# KiCad board Bottom PCB.kicad_pcb
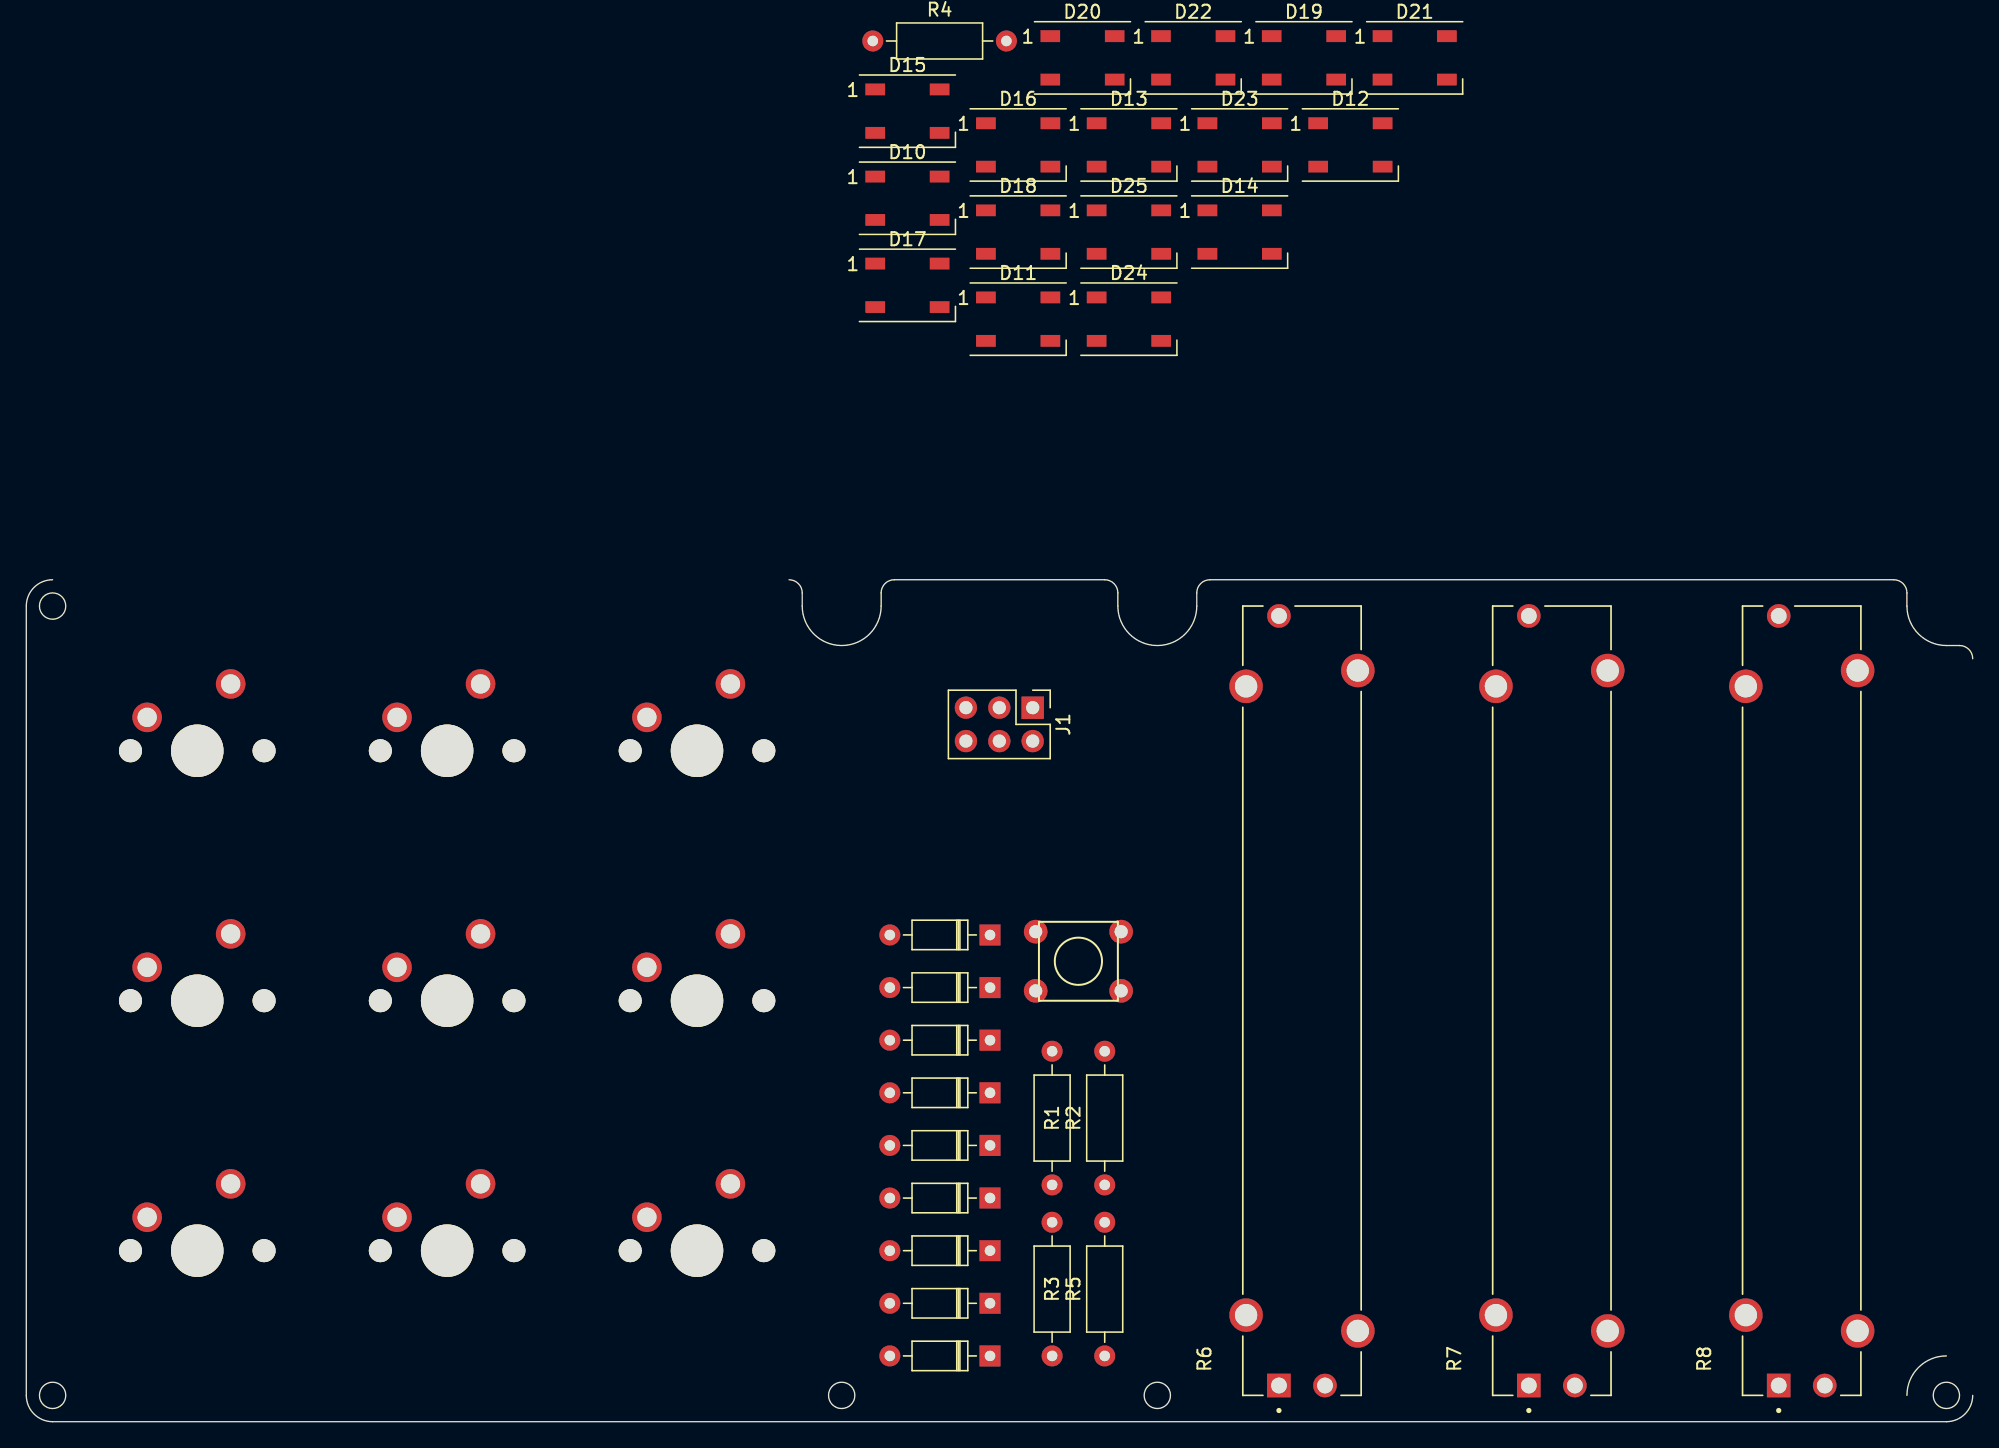
[diagram p0: board, top side]
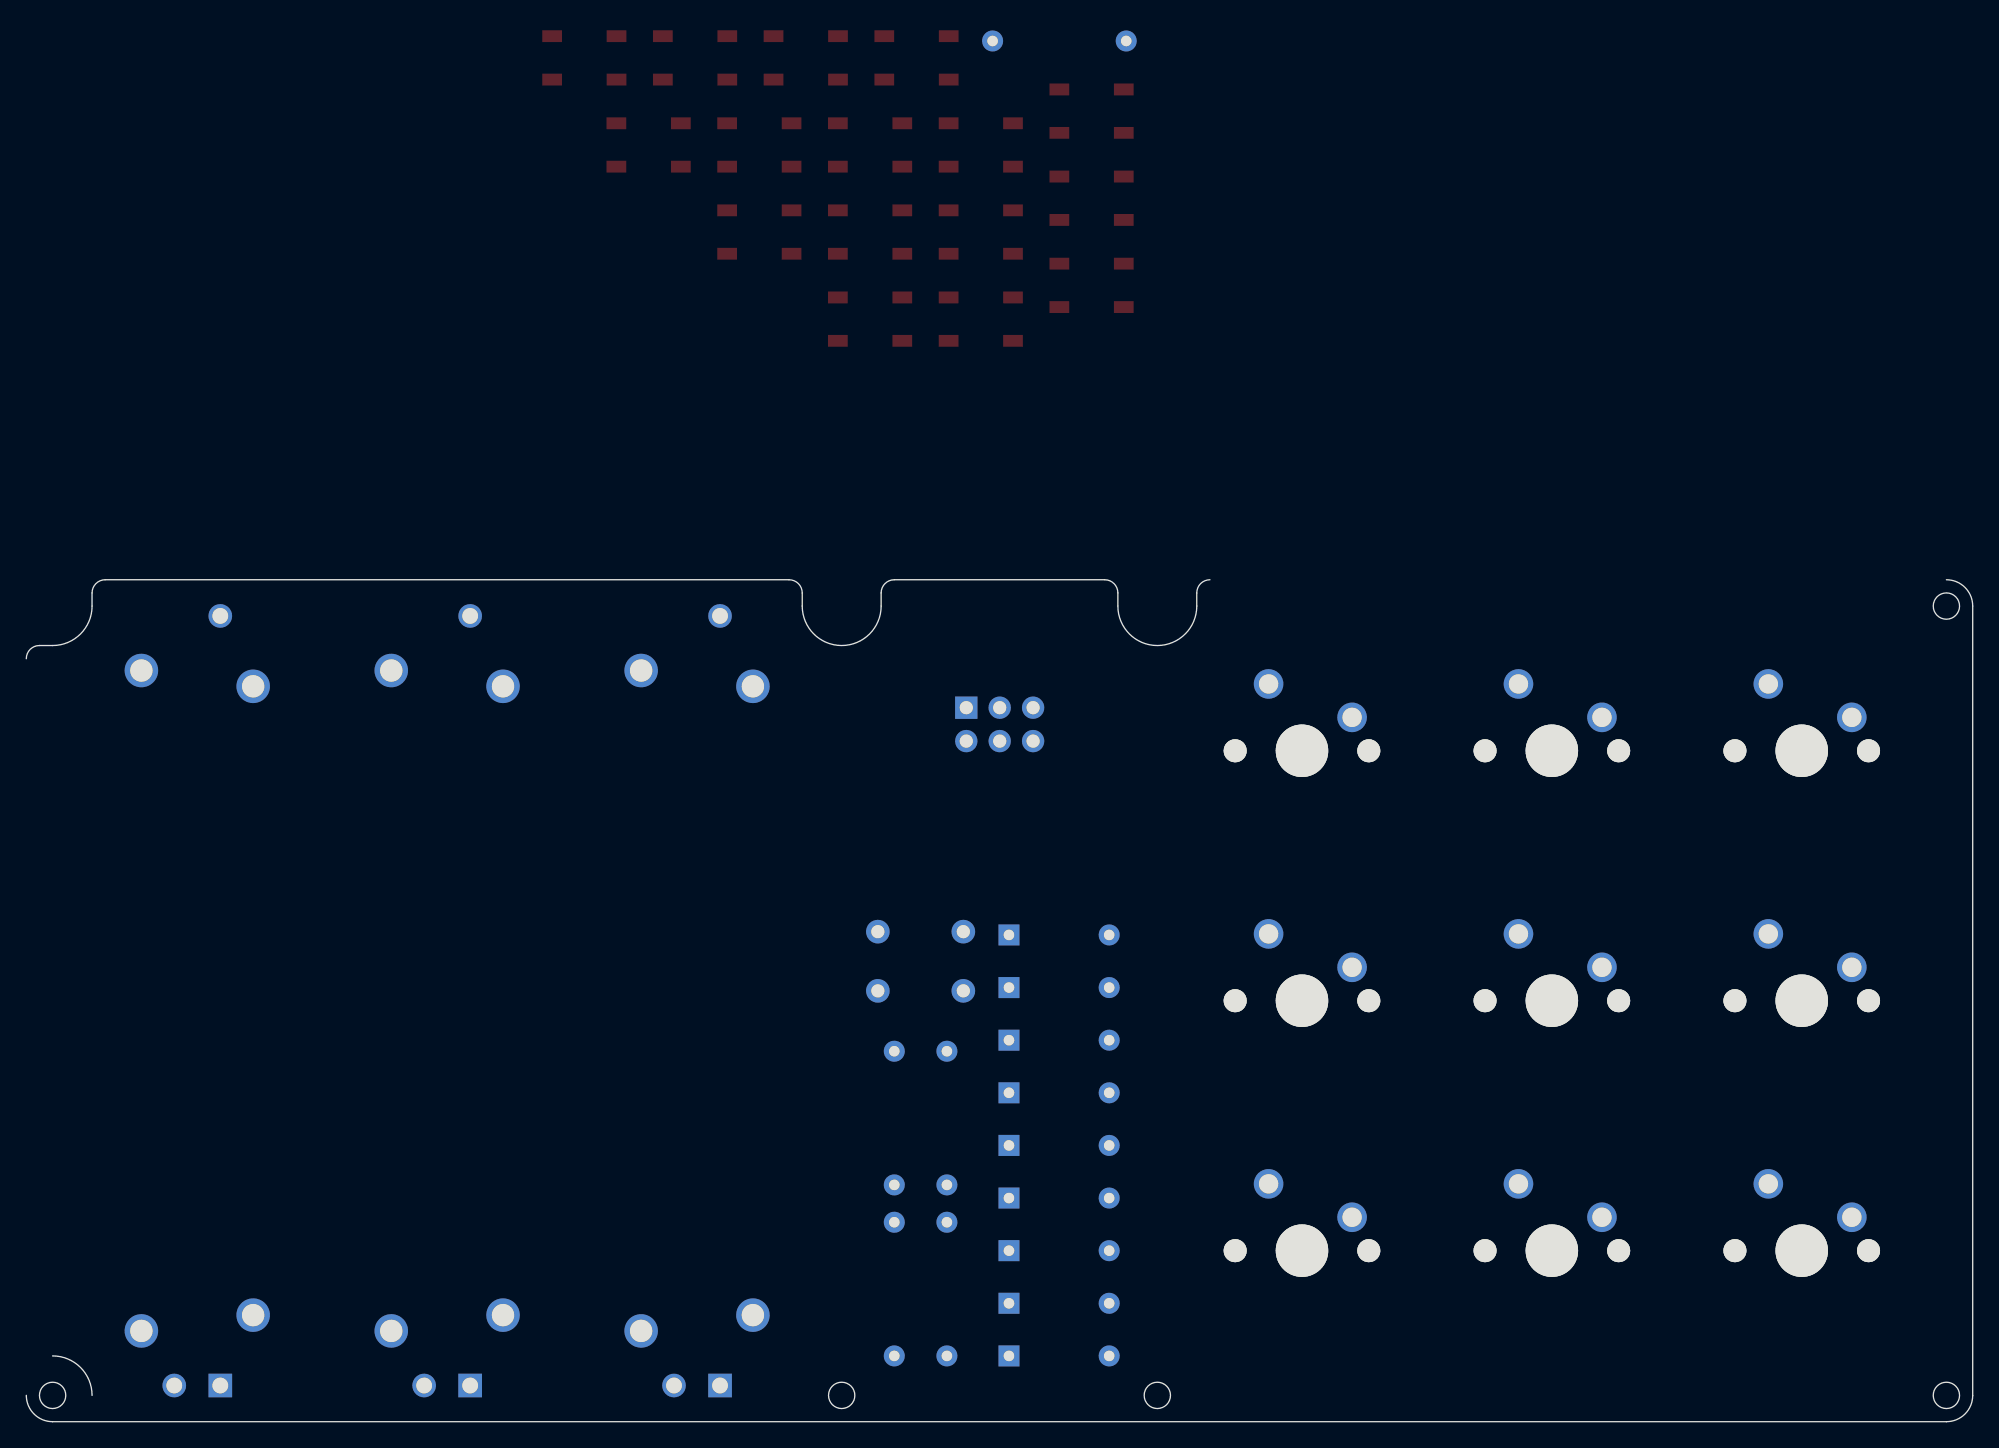
[diagram p1: board, bottom side, seen from below]

Outline 148 x 64 mm; copper layers: Top, Bottom. Coordinates in mm from the lower left corner of the outline.
Outline path: circle c2,62 r1 ; circle c2,2 r1 ; circle c62,2 r1 ; circle c86,2 r1 ; circle c146,2 r1 ; 2,64 arc(0.59,63.41) 0,62 0,2 arc(0.59,0.59) 2,0 146,0 arc(147.41,0.59) 148,2 ; 58,64 arc(58.71,63.71) 59,63 59,62 arc(62,59) 65,62 65,63 arc(65.29,63.71) 66,64 82,64 arc(82.71,63.71) 83,63 83,62 arc(86,59) 89,62 89,63 arc(89.29,63.71) 90,64 142,64 arc(142.71,63.71) 143,63 143,62 arc(143.88,59.88) 146,59 147,59 arc(147.71,58.71) 148,58 ; 143,2 arc(143.88,4.12) 146,5
Stack: Top 0.035mm / dielectric 1.51mm FR4 er 4.5 / Bottom 0.035mm

## Placement (name value [footprint] x y rotation side)
D1  1N4148  [D_DO-35_SOD27_P7.62mm_Horizontal]  73.28 5 180 top
D2  1N4148  [D_DO-35_SOD27_P7.62mm_Horizontal]  73.28 17 180 top
D3  1N4148  [D_DO-35_SOD27_P7.62mm_Horizontal]  73.28 29 180 top
D4  1N4148  [D_DO-35_SOD27_P7.62mm_Horizontal]  73.28 9 180 top
D5  1N4148  [D_DO-35_SOD27_P7.62mm_Horizontal]  73.28 21 180 top
D6  1N4148  [D_DO-35_SOD27_P7.62mm_Horizontal]  73.28 33 180 top
D7  1N4148  [D_DO-35_SOD27_P7.62mm_Horizontal]  73.28 13 180 top
D8  1N4148  [D_DO-35_SOD27_P7.62mm_Horizontal]  73.28 25 180 top
D9  1N4148  [D_DO-35_SOD27_P7.62mm_Horizontal]  73.28 37 180 top
D10  WS2812B  [LED_WS2812B_PLCC4_5.0x5.0mm_P3.2mm]  67 93 0 top
D11  WS2812B  [LED_WS2812B_PLCC4_5.0x5.0mm_P3.2mm]  75.42 83.81 0 top
D12  WS2812B  [LED_WS2812B_PLCC4_5.0x5.0mm_P3.2mm]  100.68 97.05 0 top
D13  WS2812B  [LED_WS2812B_PLCC4_5.0x5.0mm_P3.2mm]  83.84 97.05 0 top
D14  WS2812B  [LED_WS2812B_PLCC4_5.0x5.0mm_P3.2mm]  92.26 90.43 0 top
D15  WS2812B  [LED_WS2812B_PLCC4_5.0x5.0mm_P3.2mm]  67 99.62 0 top
D16  WS2812B  [LED_WS2812B_PLCC4_5.0x5.0mm_P3.2mm]  75.42 97.05 0 top
D17  WS2812B  [LED_WS2812B_PLCC4_5.0x5.0mm_P3.2mm]  67 86.38 0 top
D18  WS2812B  [LED_WS2812B_PLCC4_5.0x5.0mm_P3.2mm]  75.42 90.43 0 top
D19  WS2812B  [LED_WS2812B_PLCC4_5.0x5.0mm_P3.2mm]  97.15 103.67 0 top
D20  WS2812B  [LED_WS2812B_PLCC4_5.0x5.0mm_P3.2mm]  80.31 103.67 0 top
D21  WS2812B  [LED_WS2812B_PLCC4_5.0x5.0mm_P3.2mm]  105.57 103.67 0 top
D22  WS2812B  [LED_WS2812B_PLCC4_5.0x5.0mm_P3.2mm]  88.73 103.67 0 top
D23  WS2812B  [LED_WS2812B_PLCC4_5.0x5.0mm_P3.2mm]  92.26 97.05 0 top
D24  WS2812B  [LED_WS2812B_PLCC4_5.0x5.0mm_P3.2mm]  83.84 83.81 0 top
D25  WS2812B  [LED_WS2812B_PLCC4_5.0x5.0mm_P3.2mm]  83.84 90.43 0 top
J1  Conn_02x03_Top_Bottom  [PinHeader_2x03_P2.54mm_Vertical]  76.53 54.28 270 top
MX1  MX-NoLED  [MXOnly-1U-NoLED]  13 51 0 top
MX2  MX-NoLED  [MXOnly-1U-NoLED]  32 51 0 top
MX3  MX-NoLED  [MXOnly-1U-NoLED]  51 51 0 top
MX4  MX-NoLED  [MXOnly-1U-NoLED]  13 32 0 top
MX5  MX-NoLED  [MXOnly-1U-NoLED]  32 32 0 top
MX6  MX-NoLED  [MXOnly-1U-NoLED]  51 32 0 top
MX7  MX-NoLED  [MXOnly-1U-NoLED]  13 13 0 top
MX8  MX-NoLED  [MXOnly-1U-NoLED]  32 13 0 top
MX9  MX-NoLED  [MXOnly-1U-NoLED]  51 13 0 top
R1  10k  [R_Axial_DIN0207_L6.3mm_D2.5mm_P10.16mm_Horizontal]  78 18 90 top
R2  10k  [R_Axial_DIN0207_L6.3mm_D2.5mm_P10.16mm_Horizontal]  82 18 90 top
R3  10k  [R_Axial_DIN0207_L6.3mm_D2.5mm_P10.16mm_Horizontal]  78 5 90 top
R4  10k  [R_Axial_DIN0207_L6.3mm_D2.5mm_P10.16mm_Horizontal]  64.37 104.96 0 top
R5  10k  [R_Axial_DIN0207_L6.3mm_D2.5mm_P10.16mm_Horizontal]  82 5 90 top
R6  PTA4543-2015DPB103  [TRIM_PTA4543-2015DPB103]  97 32 90 top
R7  PTA4543-2015DPB103  [TRIM_PTA4543-2015DPB103]  116 32 90 top
R8  PTA4543-2015DPB103  [TRIM_PTA4543-2015DPB103]  135 32 90 top
SW1  SW_MEC_5G  [PushButton_6x6mm_TH_Pretty]  80 35 0 top

## Library data of the parts
D1 D5 D6 D9 = -: Field4: K; Field6: K
D2-D4 D7 D8 = -: Field4: K; Field5: K
R6-R8 = -: MANUFACTURER: Bourns; MAXIMUM_PACKAGE_HEIGHT: 21.5 mm; PARTREV: 04/21; STANDARD: Manufacturer Recommendations

## Footprints (pads in the part's own frame, mm; a bottom-side part is the same pattern mirrored in y, then rotated)
D_DO-35_SOD27_P7.62mm_Horizontal
  rect 1.6x1.6 hole 0.8: 1(0,0)
  oval 1.6x1.6 hole 0.8: 2(7.62,0)
LED_WS2812B_PLCC4_5.0x5.0mm_P3.2mm
  rect 1.5x0.9 smd: 1(-2.45,1.65) 2(-2.45,-1.65) 3(2.45,-1.65) 4(2.45,1.65)
MXOnly-1U-NoLED
  round 1.75 hole 1.75 unplated: (-5.08,0) (5.08,0)
  round 3.988 hole 3.988 unplated: (0,0)
  round 2.25 hole 1.47: 1(-3.81,2.54) 2(2.54,5.08)
PinHeader_2x03_P2.54mm_Vertical
  rect 1.7x1.7 hole 1: 1(0,0)
  oval 1.7x1.7 hole 1: 2(2.54,0) 3(0,-2.54) 4(2.54,-2.54) 5(0,-5.08) 6(2.54,-5.08)
PushButton_6x6mm_TH_Pretty
  round 1.8 hole 1: 1(3.25,2.25) 2(-3.25,-2.25) 3(3.25,-2.25) 4(-3.25,2.25)
R_Axial_DIN0207_L6.3mm_D2.5mm_P10.16mm_Horizontal
  round 1.6 hole 0.8: 1(0,0)
  oval 1.6x1.6 hole 0.8: 2(10.16,0)
TRIM_PTA4543-2015DPB103
  rect 1.8x1.8 hole 1.2: 1(-29.25,1.75)
  round 1.8 hole 1.2: 2(-29.25,-1.75) 3(29.25,1.75)
  round 2.55 hole 1.7: S1(-23.9,4.25) S2(-25.1,-4.25) S3(23.9,4.25) S4(25.1,-4.25)

## Nets
+5V: D10.1 D11.1 D12.1 D13.1 D14.1 D15.1 D16.1 D17.1 D18.1 D19.1 D20.1 D21.1 D22.1 D23.1 D24.1 D25.1 J1.3 R1.1 R2.1 R3.2 R5.2 R6.1 R7.1 R8.1
GND: D10.3 D11.3 D12.3 D13.3 D14.3 D15.3 D16.3 D17.3 D18.3 D19.3 D20.3 D21.3 D22.3 D23.3 D24.3 D25.3 J1.1 R6.3 R7.3 R8.3
A0: J1.2 R6.2
A1: J1.4 R7.2
A2: J1.6 R8.2
C0: MX1.1 MX2.1 MX3.1 R1.2
C1: MX4.1 MX5.1 MX6.1 R2.2
C2: MX7.1 MX8.1 MX9.1 R3.1
DLED: J1.5 R4.1
R0: D1.1 D4.1 D7.1
R1: D2.1 D5.1 D8.1
R2: D3.1 D6.1 D9.1
Net-(D1-Pad2): D1.2 MX1.2
Net-(D2-Pad2): D2.2 MX2.2
Net-(D3-Pad2): D3.2 MX3.2
Net-(D4-Pad2): D4.2 MX4.2
Net-(D5-Pad2): D5.2 MX5.2
Net-(D6-Pad2): D6.2 MX6.2
Net-(D7-Pad2): D7.2 MX7.2
Net-(D8-Pad2): D8.2 MX8.2
Net-(D9-Pad2): D9.2 MX9.2
Net-(D10-Pad2): D10.2 D12.4
Net-(D10-Pad4): D10.4 R4.2
Net-(D12-Pad2): D12.2 D14.4
Net-(D14-Pad2): D14.2 D16.4
Net-(D16-Pad2): D16.2 D18.4
Net-(D18-Pad2): D18.2 D20.4
Net-(D20-Pad2): D20.2 D22.4
Net-(D22-Pad2): D22.2 D24.4
Net-(D24-Pad2): D24.2 D25.4
Net-(R5-Pad1): R5.1 SW1.3 SW1.4
Net-(SW1-Pad1): SW1.1 SW1.2

Pads without a net: D11 2 4; D13 2 4; D15 2 4; D17 2 4; D19 2 4; D21 2 4; D23 2 4; D25 2; R6 S1 S2 S3 S4; R7 S1 S2 S3 S4; R8 S1 S2 S3 S4
